# KiCad board Lime_RFE_fab.kicad_pcb (continued)
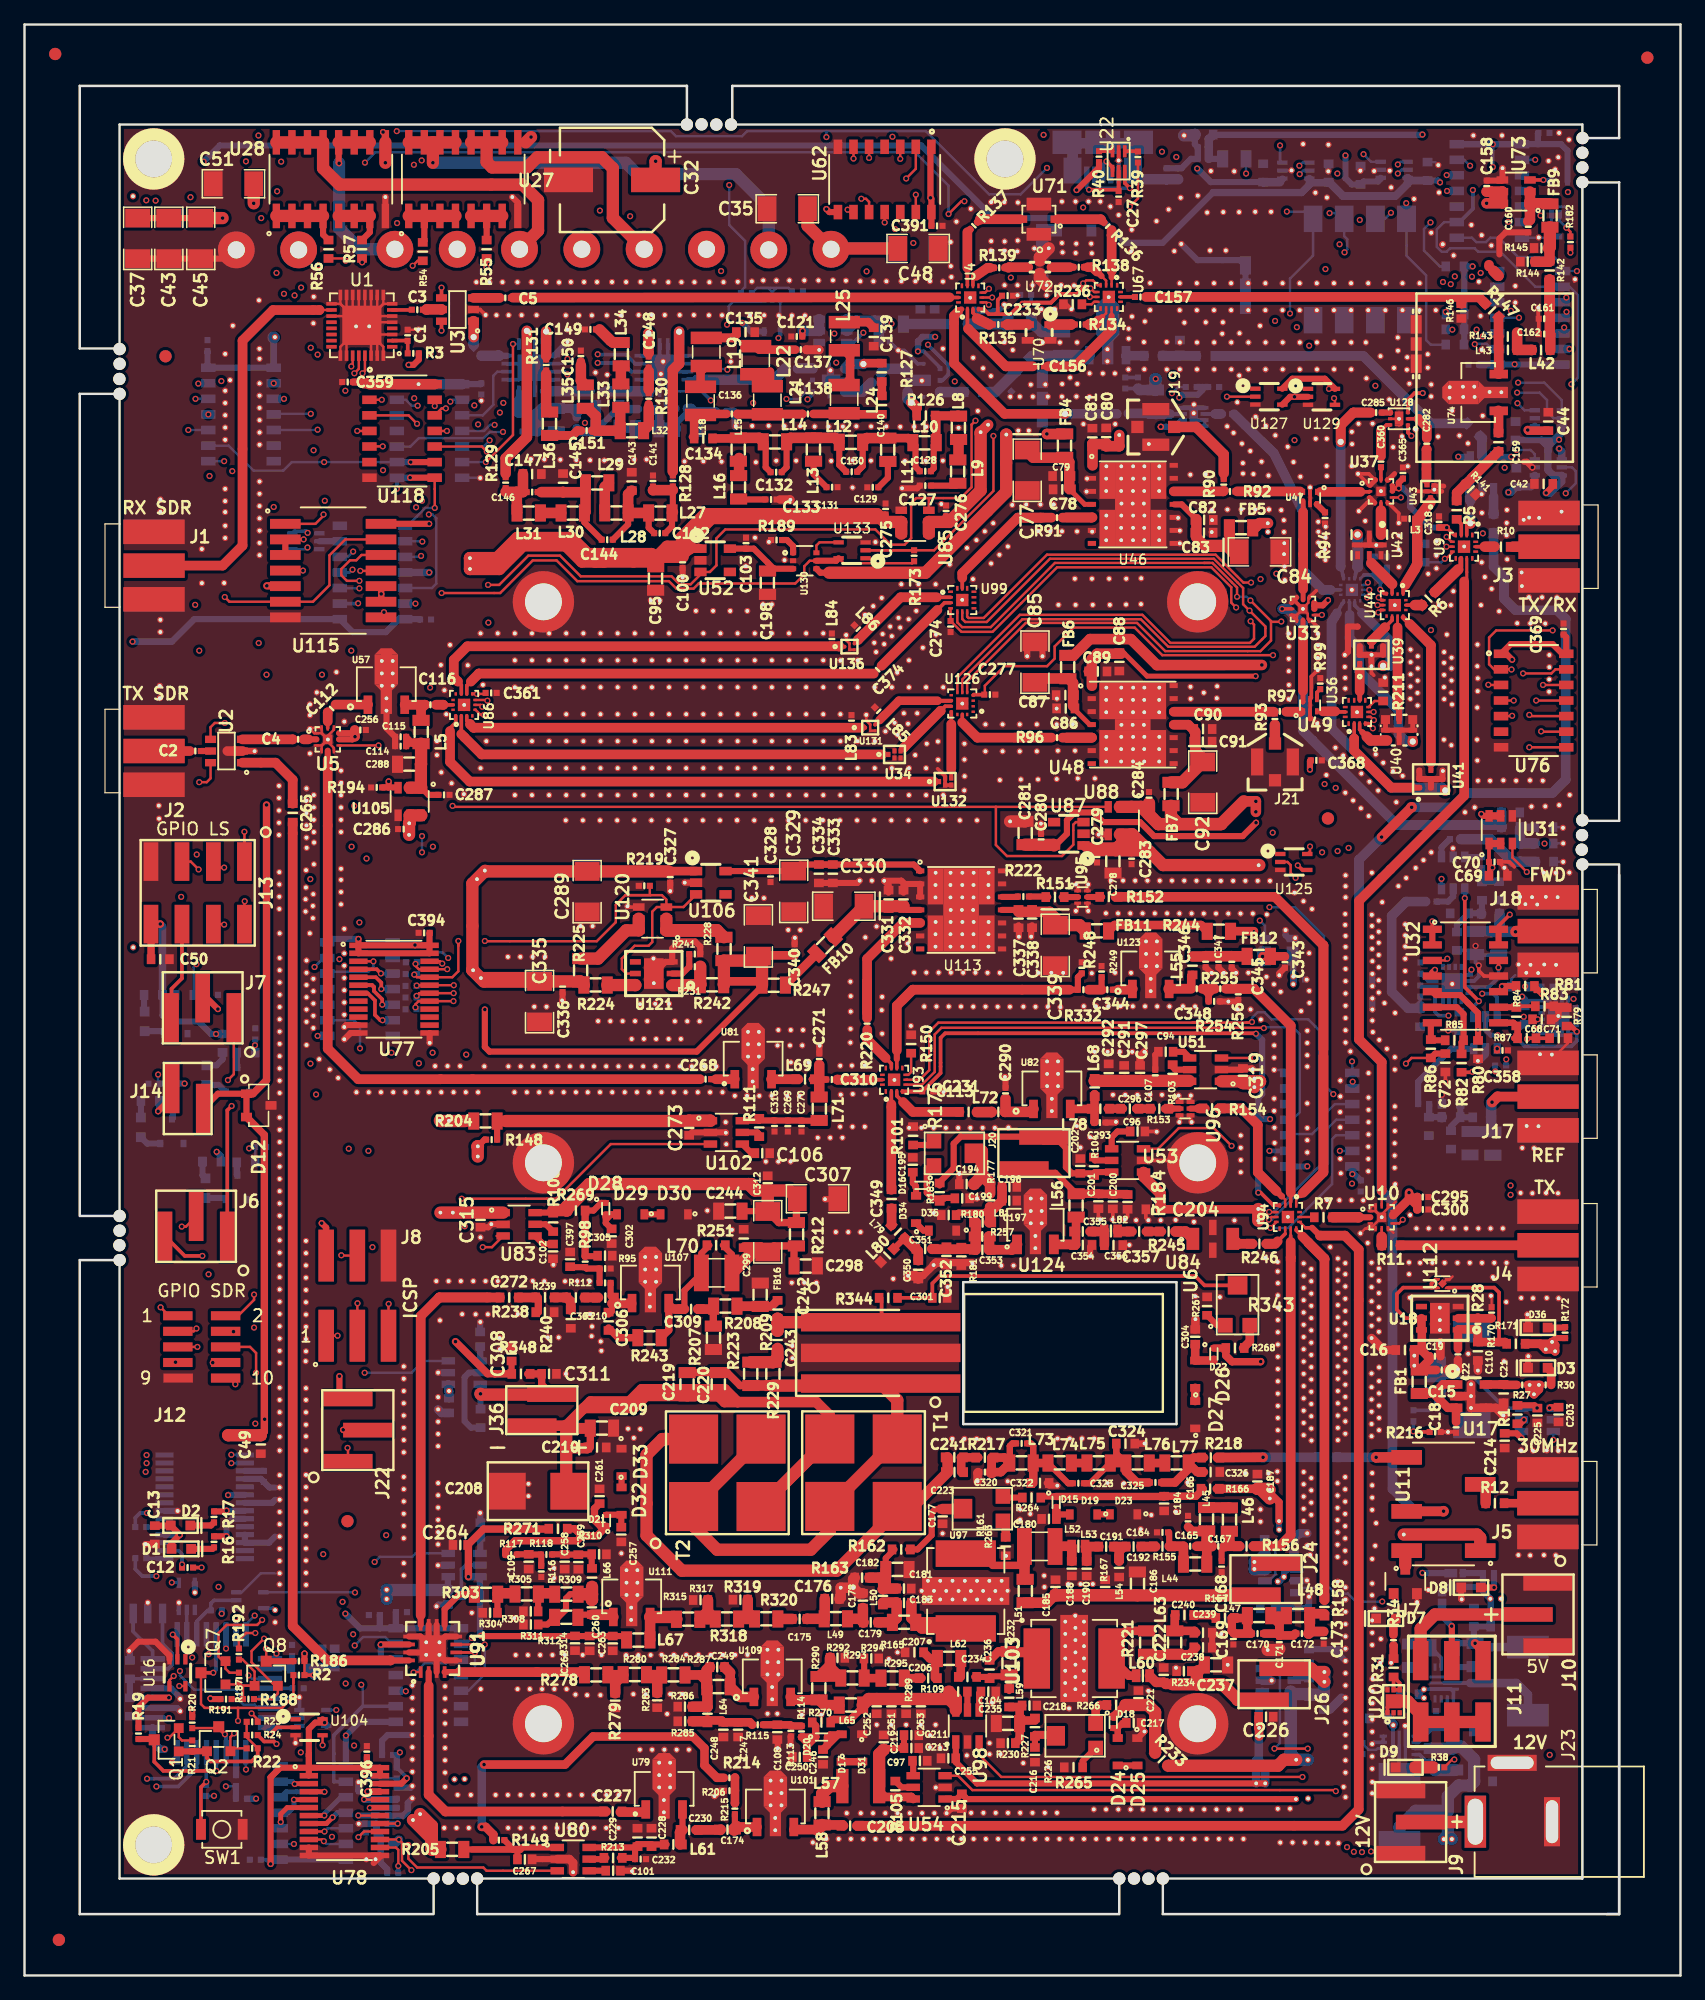
[diagram p0: board, top side]
## Placement (name value [footprint] x y rotation side) (continued)
GND_VIA#476  VAL**  [GND_VIA]  41.04 26.11 90 top
GND_VIA#477  VAL**  [GND_VIA]  40.04 26.11 90 top
GND_VIA#478  VAL**  [GND_VIA]  42.04 26.11 90 top
GND_VIA#479  VAL**  [GND_VIA]  43.04 26.11 90 top
GND_VIA#480  VAL**  [GND_VIA]  44.04 26.11 90 top
GND_VIA#481  VAL**  [GND_VIA]  51.04 26.11 90 top
GND_VIA#482  VAL**  [GND_VIA]  50.04 26.11 90 top
GND_VIA#483  VAL**  [GND_VIA]  49.04 26.11 90 top
GND_VIA#484  VAL**  [GND_VIA]  47.04 26.11 90 top
GND_VIA#485  VAL**  [GND_VIA]  45.5 26.12 90 top
GND_VIA#486  VAL**  [GND_VIA]  55.94 26.13 90 top
GND_VIA#487  VAL**  [GND_VIA]  54.94 26.13 90 top
GND_VIA#488  VAL**  [GND_VIA]  57.94 26.13 90 top
GND_VIA#489  VAL**  [GND_VIA]  56.94 26.13 90 top
GND_VIA#490  VAL**  [GND_VIA]  58.94 26.13 90 top
GND_VIA#491  VAL**  [GND_VIA]  53.94 26.13 90 top
GND_VIA#492  VAL**  [GND_VIA]  52.94 26.13 90 top
GND_VIA#493  VAL**  [GND_VIA]  51.94 26.13 90 top
GND_VIA#494  VAL**  [GND_VIA]  57.17 68.68 90 top
GND_VIA#495  VAL**  [GND_VIA]  57.16 69.54 90 top
GND_VIA#496  VAL**  [GND_VIA]  57.21 67.75 90 top
GND_VIA#497  VAL**  [GND_VIA]  93.15 86.56 90 top
GND_VIA#498  VAL**  [GND_VIA]  92.15 86.56 90 top
GND_VIA#499  VAL**  [GND_VIA]  90.15 86.56 90 top
GND_VIA#500  VAL**  [GND_VIA]  91.15 86.56 90 top
GND_VIA#501  VAL**  [GND_VIA]  89.15 86.56 90 top
GND_VIA#502  VAL**  [GND_VIA]  86.72 88.92 90 top
GND_VIA#503  VAL**  [GND_VIA]  85.72 88.92 90 top
GND_VIA#504  VAL**  [GND_VIA]  88.16 86.57 90 top
GND_VIA#505  VAL**  [GND_VIA]  95.15 86.55 90 top
GND_VIA#506  VAL**  [GND_VIA]  94.15 86.55 90 top
GND_VIA#507  VAL**  [GND_VIA]  96.14 86.54 90 top
GND_VIA#508  VAL**  [GND_VIA]  98.14 86.54 90 top
GND_VIA#509  VAL**  [GND_VIA]  97.14 86.54 90 top
GND_VIA#510  VAL**  [GND_VIA]  99.14 86.54 90 top
GND_VIA#511  VAL**  [GND_VIA]  100.14 86.54 90 top
GND_VIA#512  VAL**  [GND_VIA]  50.18 79.15 90 top
GND_VIA#513  VAL**  [GND_VIA]  49.15 87.14 90 top
GND_VIA#514  VAL**  [GND_VIA]  51.3 80.87 90 top
GND_VIA#515  VAL**  [GND_VIA]  51.28 82.88 90 top
GND_VIA#516  VAL**  [GND_VIA]  51.41 79.19 90 top
GND_VIA#517  VAL**  [GND_VIA]  53.82 89.07 90 top
GND_VIA#518  VAL**  [GND_VIA]  59.3 87.82 90 top
GND_VIA#519  VAL**  [GND_VIA]  60.28 87.81 90 top
GND_VIA#520  VAL**  [GND_VIA]  63.24 85.2 90 top
GND_VIA#521  VAL**  [GND_VIA]  62.26 85.21 90 top
GND_VIA#522  VAL**  [GND_VIA]  39.92 29.14 90 top
GND_VIA#523  VAL**  [GND_VIA]  49.2 44.56 0 top
GND_VIA#524  VAL**  [GND_VIA]  50.2 44.53 0 top
GND_VIA#525  VAL**  [GND_VIA]  49.67 43.81 0 top
GND_VIA#526  VAL**  [GND_VIA]  48.66 34.4 90 top
GND_VIA#527  VAL**  [GND_VIA]  93.88 37.78 0 top
GND_VIA#528  VAL**  [GND_VIA]  100.13 73.86 180 top
GND_VIA#529  VAL**  [GND_VIA]  36.47 29.56 90 top
GND_VIA#530  VAL**  [GND_VIA]  98.91 78.74 90 top
GND_VIA#531  VAL**  [GND_VIA]  70.46 25.79 90 top
GND_VIA#532  VAL**  [GND_VIA]  101.43 40.91 0 top
GND_VIA#533  VAL**  [GND_VIA]  99.53 40.93 0 top
GND_VIA#534  VAL**  [GND_VIA]  52.39 21.31 90 top
GND_VIA#535  VAL**  [GND_VIA]  84.21 43.76 90 top
GND_VIA#536  VAL**  [GND_VIA]  85.21 43.76 90 top
GND_VIA#537  VAL**  [GND_VIA]  87.21 43.76 90 top
GND_VIA#538  VAL**  [GND_VIA]  86.21 43.76 90 top
GND_VIA#539  VAL**  [GND_VIA]  77.62 43.73 90 top
GND_VIA#540  VAL**  [GND_VIA]  78.62 43.73 90 top
GND_VIA#541  VAL**  [GND_VIA]  76.62 43.73 90 top
GND_VIA#542  VAL**  [GND_VIA]  75.62 43.73 90 top
GND_VIA#543  VAL**  [GND_VIA]  77.28 58.02 0 top
GND_VIA#544  VAL**  [GND_VIA]  74.11 57.9 0 top
GND_VIA#545  VAL**  [GND_VIA]  70.82 56.78 0 top
GND_VIA#546  VAL**  [GND_VIA]  72.03 57.02 0 top
GND_VIA#547  VAL**  [GND_VIA]  75.25 56.12 0 top
GND_VIA#548  VAL**  [GND_VIA]  40.42 83.02 90 top
GND_VIA#549  VAL**  [GND_VIA]  42.42 83.02 90 top
GND_VIA#550  VAL**  [GND_VIA]  41.42 83.02 90 top
GND_VIA#551  VAL**  [GND_VIA]  39.41 83.02 90 top
GND_VIA#552  VAL**  [GND_VIA]  52.64 88.37 90 top
GND_VIA#553  VAL**  [GND_VIA]  46.31 85.52 90 top
GND_VIA#554  VAL**  [GND_VIA]  45.33 85.53 90 top
GND_VIA#555  VAL**  [GND_VIA]  101.53 89.21 90 top
GND_VIA#556  VAL**  [GND_VIA]  100.53 89.21 90 top
GND_VIA#557  VAL**  [GND_VIA]  98.53 89.21 90 top
GND_VIA#558  VAL**  [GND_VIA]  99.53 89.21 90 top
GND_VIA#559  VAL**  [GND_VIA]  97.53 89.21 90 top
GND_VIA#560  VAL**  [GND_VIA]  95.55 89.22 90 top
GND_VIA#561  VAL**  [GND_VIA]  96.55 89.22 90 top
GND_VIA#562  VAL**  [GND_VIA]  89.56 89.23 90 top
GND_VIA#563  VAL**  [GND_VIA]  88.56 89.23 90 top
GND_VIA#564  VAL**  [GND_VIA]  90.55 89.23 90 top
GND_VIA#565  VAL**  [GND_VIA]  92.55 89.23 90 top
GND_VIA#566  VAL**  [GND_VIA]  91.55 89.23 90 top
GND_VIA#567  VAL**  [GND_VIA]  93.55 89.23 90 top
GND_VIA#568  VAL**  [GND_VIA]  94.55 89.23 90 top
GND_VIA#569  VAL**  [GND_VIA]  102.3 81.52 90 top
GND_VIA#570  VAL**  [GND_VIA]  104.52 81.16 90 top
GND_VIA#571  VAL**  [GND_VIA]  104.73 83.32 90 top
GND_VIA#572  VAL**  [GND_VIA]  101.28 86.47 90 top
GND_VIA#573  VAL**  [GND_VIA]  102.8 85.2 90 top
GND_VIA#574  VAL**  [GND_VIA]  103.59 84.55 90 top
GND_VIA#575  VAL**  [GND_VIA]  98.14 79.38 90 top
GND_VIA#576  VAL**  [GND_VIA]  99.77 81.72 90 top
GND_VIA#577  VAL**  [GND_VIA]  97.77 81.72 90 top
GND_VIA#578  VAL**  [GND_VIA]  98.77 81.72 90 top
GND_VIA#579  VAL**  [GND_VIA]  96.77 81.72 90 top
GND_VIA#580  VAL**  [GND_VIA]  62.8 84.56 90 top
GND_VIA#581  VAL**  [GND_VIA]  52.55 79.19 90 top
GND_VIA#582  VAL**  [GND_VIA]  81.06 84.66 90 top
GND_VIA#583  VAL**  [GND_VIA]  82.06 84.66 90 top
GND_VIA#584  VAL**  [GND_VIA]  41.55 78.95 90 top
GND_VIA#585  VAL**  [GND_VIA]  42.55 78.95 90 top
GND_VIA#586  VAL**  [GND_VIA]  43.83 79.46 90 top
GND_VIA#587  VAL**  [GND_VIA]  104.57 77 180 top
GND_VIA#588  VAL**  [GND_VIA]  104.57 75 180 top
GND_VIA#589  VAL**  [GND_VIA]  104.57 76 180 top
GND_VIA#590  VAL**  [GND_VIA]  104.96 86.91 90 top
GND_VIA#591  VAL**  [GND_VIA]  104.27 87.55 90 top
GND_VIA#592  VAL**  [GND_VIA]  103.53 88.25 90 top
GND_VIA#593  VAL**  [GND_VIA]  107.7 82.93 0 top
GND_VIA#594  VAL**  [GND_VIA]  107.7 83.83 0 top
GND_VIA#595  VAL**  [GND_VIA]  107.7 79.03 0 top
GND_VIA#596  VAL**  [GND_VIA]  107.7 80.03 0 top
GND_VIA#597  VAL**  [GND_VIA]  107.7 82.03 0 top
GND_VIA#598  VAL**  [GND_VIA]  107.7 81.03 0 top
GND_VIA#599  VAL**  [GND_VIA]  107.7 77.03 0 top
GND_VIA#600  VAL**  [GND_VIA]  107.7 78.03 0 top
GND_VIA#601  VAL**  [GND_VIA]  107.7 76.03 0 top
GND_VIA#602  VAL**  [GND_VIA]  111.72 73.83 0 top
GND_VIA#603  VAL**  [GND_VIA]  111.72 68.83 0 top
GND_VIA#604  VAL**  [GND_VIA]  111.72 70.83 0 top
GND_VIA#605  VAL**  [GND_VIA]  111.72 69.83 0 top
GND_VIA#606  VAL**  [GND_VIA]  107.7 84.72 0 top
GND_VIA#607  VAL**  [GND_VIA]  101.87 75.8 180 top
GND_VIA#608  VAL**  [GND_VIA]  101.87 76.8 180 top
GND_VIA#609  VAL**  [GND_VIA]  101.87 74.8 180 top
GND_VIA#610  VAL**  [GND_VIA]  101.87 73.8 180 top
GND_VIA#611  VAL**  [GND_VIA]  95.08 71.71 90 top
GND_VIA#612  VAL**  [GND_VIA]  94.08 71.71 90 top
GND_VIA#613  VAL**  [GND_VIA]  94.14 69.55 90 top
GND_VIA#614  VAL**  [GND_VIA]  95.14 69.55 90 top
GND_VIA#615  VAL**  [GND_VIA]  89.7 61.61 90 top
GND_VIA#616  VAL**  [GND_VIA]  87.7 61.61 90 top
GND_VIA#617  VAL**  [GND_VIA]  88.7 61.61 90 top
GND_VIA#618  VAL**  [GND_VIA]  91.62 61.55 90 top
GND_VIA#619  VAL**  [GND_VIA]  90.62 61.55 90 top
GND_VIA#620  VAL**  [GND_VIA]  92.62 61.55 90 top
GND_VIA#621  VAL**  [GND_VIA]  103 61.83 0 top
GND_VIA#622  VAL**  [GND_VIA]  97.45 55.29 0 top
GND_VIA#623  VAL**  [GND_VIA]  95.45 55.35 0 top
GND_VIA#624  VAL**  [GND_VIA]  95.46 53.49 0 top
GND_VIA#625  VAL**  [GND_VIA]  91.31 43.35 90 top
GND_VIA#626  VAL**  [GND_VIA]  67.55 31.6 90 top
GND_VIA#627  VAL**  [GND_VIA]  66.54 31.6 90 top
GND_VIA#628  VAL**  [GND_VIA]  62.45 18.79 90 top
GND_VIA#629  VAL**  [GND_VIA]  61.4 18.52 90 top
GND_VIA#630  VAL**  [GND_VIA]  101.34 26.52 0 top
GND_VIA#631  VAL**  [GND_VIA]  101.51 39.57 0 top
GND_VIA#632  VAL**  [GND_VIA]  101.52 38.87 0 top
GND_VIA#633  VAL**  [GND_VIA]  100.58 61.51 0 top
GND_VIA#634  VAL**  [GND_VIA]  102.68 32.49 0 top
GND_VIA#635  VAL**  [GND_VIA]  102.17 32.11 0 top
GND_VIA#636  VAL**  [GND_VIA]  100.58 62.47 0 top
GND_VIA#637  VAL**  [GND_VIA]  100.65 19.48 0 top
GND_VIA#638  VAL**  [GND_VIA]  100.41 15.65 0 top
GND_VIA#639  VAL**  [GND_VIA]  101.15 15.65 0 top
GND_VIA#640  VAL**  [GND_VIA]  100.65 20.17 0 top
GND_VIA#641  VAL**  [GND_VIA]  100.26 73.1 0 top
GND_VIA#642  VAL**  [GND_VIA]  100.26 72.4 0 top
GND_VIA#643  VAL**  [GND_VIA]  103.44 81.41 0 top
GND_VIA#644  VAL**  [GND_VIA]  103.44 80.78 0 top
GND_VIA#645  VAL**  [GND_VIA]  36.95 67.57 0 top
GND_VIA#646  VAL**  [GND_VIA]  33.84 69.67 0 top
GND_VIA#647  VAL**  [GND_VIA]  36.95 66.75 0 top
GND_VIA#648  VAL**  [GND_VIA]  34.6 69.67 0 top
GND_VIA#649  VAL**  [GND_VIA]  38.06 61.23 90 top
GND_VIA#650  VAL**  [GND_VIA]  34.6 47.63 0 top
GND_VIA#651  VAL**  [GND_VIA]  37.15 37.7 0 top
GND_VIA#652  VAL**  [GND_VIA]  103.65 14.37 0 top
GND_VIA#653  VAL**  [GND_VIA]  104.64 14.42 0 top
GND_VIA#654  VAL**  [GND_VIA]  73.65 32.17 90 top
GND_VIA#655  VAL**  [GND_VIA]  74.65 32.17 90 top
GND_VIA#656  VAL**  [GND_VIA]  75.65 32.17 90 top
GND_VIA#657  VAL**  [GND_VIA]  78.65 32.16 90 top
GND_VIA#658  VAL**  [GND_VIA]  79.65 32.16 90 top
GND_VIA#659  VAL**  [GND_VIA]  76.65 32.16 90 top
GND_VIA#660  VAL**  [GND_VIA]  77.65 32.16 90 top
GND_VIA#661  VAL**  [GND_VIA]  77.15 31.34 90 top
GND_VIA#662  VAL**  [GND_VIA]  76.15 31.34 90 top
GND_VIA#663  VAL**  [GND_VIA]  79.15 31.34 90 top
GND_VIA#664  VAL**  [GND_VIA]  78.15 31.34 90 top
GND_VIA#665  VAL**  [GND_VIA]  75.14 31.34 90 top
GND_VIA#666  VAL**  [GND_VIA]  74.14 31.34 90 top
GND_VIA#667  VAL**  [GND_VIA]  73.14 31.34 90 top
GND_VIA#668  VAL**  [GND_VIA]  73.65 30.64 90 top
GND_VIA#669  VAL**  [GND_VIA]  74.65 30.64 90 top
GND_VIA#670  VAL**  [GND_VIA]  75.65 30.64 90 top
GND_VIA#671  VAL**  [GND_VIA]  78.65 30.64 90 top
GND_VIA#672  VAL**  [GND_VIA]  79.65 30.64 90 top
GND_VIA#673  VAL**  [GND_VIA]  76.65 30.64 90 top
GND_VIA#674  VAL**  [GND_VIA]  77.65 30.64 90 top
GND_VIA#675  VAL**  [GND_VIA]  80.14 31.35 90 top
GND_VIA#676  VAL**  [GND_VIA]  85.66 29.32 180 top
GND_VIA#677  VAL**  [GND_VIA]  86.37 26.84 180 top
GND_VIA#678  VAL**  [GND_VIA]  86.37 25.84 180 top
GND_VIA#679  VAL**  [GND_VIA]  86.37 28.84 180 top
GND_VIA#680  VAL**  [GND_VIA]  86.37 27.84 180 top
GND_VIA#681  VAL**  [GND_VIA]  86.37 24.84 180 top
GND_VIA#682  VAL**  [GND_VIA]  86.37 23.84 180 top
GND_VIA#683  VAL**  [GND_VIA]  86.37 22.84 180 top
GND_VIA#684  VAL**  [GND_VIA]  85.15 21.76 180 top
GND_VIA#685  VAL**  [GND_VIA]  85.67 23.33 180 top
GND_VIA#686  VAL**  [GND_VIA]  85.67 24.33 180 top
GND_VIA#687  VAL**  [GND_VIA]  85.67 27.33 180 top
GND_VIA#688  VAL**  [GND_VIA]  85.67 28.33 180 top
GND_VIA#689  VAL**  [GND_VIA]  85.67 25.33 180 top
GND_VIA#690  VAL**  [GND_VIA]  85.67 26.33 180 top
GND_VIA#691  VAL**  [GND_VIA]  84.85 26.84 180 top
GND_VIA#692  VAL**  [GND_VIA]  84.85 25.84 180 top
GND_VIA#693  VAL**  [GND_VIA]  84.85 28.84 180 top
GND_VIA#694  VAL**  [GND_VIA]  84.85 27.84 180 top
GND_VIA#695  VAL**  [GND_VIA]  84.84 24.84 180 top
GND_VIA#696  VAL**  [GND_VIA]  84.84 23.84 180 top
GND_VIA#697  VAL**  [GND_VIA]  84.84 22.84 180 top
GND_VIA#698  VAL**  [GND_VIA]  35.87 16.01 0 top
GND_VIA#699  VAL**  [GND_VIA]  35.05 15.98 0 top
GND_VIA#700  VAL**  [GND_VIA]  36.57 81.92 0 top
GND_VIA#701  VAL**  [GND_VIA]  37.21 81.29 0 top
GND_VIA#702  VAL**  [GND_VIA]  36.89 89.35 0 top
GND_VIA#703  VAL**  [GND_VIA]  37.52 90.05 0 top
GND_VIA#704  VAL**  [GND_VIA]  32.75 27.15 90 top
GND_VIA#705  VAL**  [GND_VIA]  33.83 27.15 90 top
GND_VIA#706  VAL**  [GND_VIA]  33.83 26.13 90 top
GND_VIA#707  VAL**  [GND_VIA]  32.75 26.13 90 top
GND_VIA#708  VAL**  [GND_VIA]  32.25 13.15 0 top
GND_VIA#709  VAL**  [GND_VIA]  31.67 12.67 0 top
GND_VIA#710  VAL**  [GND_VIA]  33.9 62.17 0 top
GND_VIA#711  VAL**  [GND_VIA]  34.92 62.17 0 top
GND_VIA#712  VAL**  [GND_VIA]  29.52 31.44 0 top
GND_VIA#713  VAL**  [GND_VIA]  29.52 30.68 0 top
GND_VIA#714  VAL**  [GND_VIA]  30.92 32.6 0 top
GND_VIA#715  VAL**  [GND_VIA]  30.92 33.6 0 top
GND_VIA#716  VAL**  [GND_VIA]  33.59 30.08 0 top
GND_VIA#717  VAL**  [GND_VIA]  37.16 53.26 0 top
GND_VIA#718  VAL**  [GND_VIA]  69.08 89.23 90 top
GND_VIA#719  VAL**  [GND_VIA]  68.08 89.23 90 top
GND_VIA#720  VAL**  [GND_VIA]  70.08 89.22 90 top
GND_VIA#721  VAL**  [GND_VIA]  85.72 86.76 90 top
GND_VIA#722  VAL**  [GND_VIA]  86.72 86.76 90 top
GND_VIA#723  VAL**  [GND_VIA]  41.08 39.07 0 top
GND_VIA#724  VAL**  [GND_VIA]  41.08 40.07 0 top
GND_VIA#725  VAL**  [GND_VIA]  102.18 45.44 0 top
GND_VIA#726  VAL**  [GND_VIA]  102.18 44.44 0 top
GND_VIA#727  VAL**  [GND_VIA]  102.18 43.44 0 top
GND_VIA#728  VAL**  [GND_VIA]  107.7 18.61 0 top
GND_VIA#729  VAL**  [GND_VIA]  107.7 19.61 0 top
GND_VIA#730  VAL**  [GND_VIA]  107.7 20.61 0 top
GND_VIA#731  VAL**  [GND_VIA]  107.7 21.61 0 top
GND_VIA#732  VAL**  [GND_VIA]  109.87 18.87 0 top
GND_VIA#733  VAL**  [GND_VIA]  109.87 19.87 0 top
GND_VIA#734  VAL**  [GND_VIA]  109.87 20.87 0 top
GND_VIA#735  VAL**  [GND_VIA]  107.12 10.78 90 top
GND_VIA#736  VAL**  [GND_VIA]  31.62 16.6 0 top
GND_VIA#737  VAL**  [GND_VIA]  31.62 17.6 0 top
GND_VIA#738  VAL**  [GND_VIA]  31.62 19.6 0 top
GND_VIA#739  VAL**  [GND_VIA]  31.62 18.6 0 top
GND_VIA#740  VAL**  [GND_VIA]  31.62 21.6 0 top
GND_VIA#741  VAL**  [GND_VIA]  31.62 20.6 0 top
GND_VIA#742  VAL**  [GND_VIA]  31.62 22.63 0 top
GND_VIA#743  VAL**  [GND_VIA]  31.62 23.63 0 top
GND_VIA#744  VAL**  [GND_VIA]  31.62 15.44 0 top
GND_VIA#745  VAL**  [GND_VIA]  31.62 14.44 0 top
GND_VIA#746  VAL**  [GND_VIA]  35.3 14.71 0 top
GND_VIA#747  VAL**  [GND_VIA]  34.28 15.38 0 top
GND_VIA#748  VAL**  [GND_VIA]  34.28 23.57 0 top
GND_VIA#749  VAL**  [GND_VIA]  34.28 22.57 0 top
GND_VIA#750  VAL**  [GND_VIA]  34.28 20.53 0 top
GND_VIA#751  VAL**  [GND_VIA]  34.28 21.53 0 top
GND_VIA#752  VAL**  [GND_VIA]  34.28 18.53 0 top
GND_VIA#753  VAL**  [GND_VIA]  34.28 19.53 0 top
GND_VIA#754  VAL**  [GND_VIA]  34.28 17.53 0 top
GND_VIA#755  VAL**  [GND_VIA]  34.28 16.53 0 top
GND_VIA#756  VAL**  [GND_VIA]  39.4 14.71 90 top
GND_VIA#757  VAL**  [GND_VIA]  38.4 14.71 90 top
GND_VIA#758  VAL**  [GND_VIA]  35.22 12.02 90 top
GND_VIA#759  VAL**  [GND_VIA]  34.22 12.02 90 top
GND_VIA#760  VAL**  [GND_VIA]  36.22 12.02 90 top
GND_VIA#761  VAL**  [GND_VIA]  118.79 120.72 0 top
GND_VIA#762  VAL**  [GND_VIA]  99.25 124.85 0 top
GND_VIA#763  VAL**  [GND_VIA]  99.93 124.24 0 top
GND_VIA#764  VAL**  [GND_VIA]  100.85 123.37 0 top
GND_VIA#765  VAL**  [GND_VIA]  101.41 122.24 0 top
GND_VIA#766  VAL**  [GND_VIA]  99.32 123.25 0 top
GND_VIA#767  VAL**  [GND_VIA]  99.33 122.4 0 top
GND_VIA#768  VAL**  [GND_VIA]  100.18 122.36 0 top
GND_VIA#769  VAL**  [GND_VIA]  104.02 122.15 0 top
GND_VIA#770  VAL**  [GND_VIA]  101.97 125.52 0 top
GND_VIA#771  VAL**  [GND_VIA]  91.65 124.81 0 top
GND_VIA#772  VAL**  [GND_VIA]  98.04 126.25 0 top
GND_VIA#773  VAL**  [GND_VIA]  95.32 127.33 0 top
GND_VIA#774  VAL**  [GND_VIA]  95.33 128.03 0 top
GND_VIA#775  VAL**  [GND_VIA]  109.88 80.63 0 top
GND_VIA#776  VAL**  [GND_VIA]  109.88 79.63 0 top
GND_VIA#777  VAL**  [GND_VIA]  109.86 83.66 0 top
GND_VIA#778  VAL**  [GND_VIA]  109.85 84.63 0 top
GND_VIA#779  VAL**  [GND_VIA]  109.89 82.66 0 top
GND_VIA#780  VAL**  [GND_VIA]  109.88 81.63 0 top
GND_VIA#781  VAL**  [GND_VIA]  109.83 86.44 0 top
GND_VIA#782  VAL**  [GND_VIA]  109.85 85.53 0 top
GND_VIA#783  VAL**  [GND_VIA]  71.54 121.2 0 top
GND_VIA#784  VAL**  [GND_VIA]  67.5 121.26 0 top
GND_VIA#785  VAL**  [GND_VIA]  74.86 123.45 0 top
GND_VIA#786  VAL**  [GND_VIA]  73.45 123.45 0 top
GND_VIA#787  VAL**  [GND_VIA]  62.9 123.45 0 top
GND_VIA#788  VAL**  [GND_VIA]  71.77 123.43 0 top
GND_VIA#789  VAL**  [GND_VIA]  69 123.45 0 top
GND_VIA#790  VAL**  [GND_VIA]  65.76 123.43 0 top
GND_VIA#791  VAL**  [GND_VIA]  67.5 123.49 0 top
GND_VIA#792  VAL**  [GND_VIA]  62.44 120.26 0 top
GND_VIA#793  VAL**  [GND_VIA]  53.8 123.39 0 top
GND_VIA#794  VAL**  [GND_VIA]  56.82 123.37 0 top
GND_VIA#795  VAL**  [GND_VIA]  55.34 123.4 0 top
GND_VIA#796  VAL**  [GND_VIA]  59.62 123.32 0 top
GND_VIA#797  VAL**  [GND_VIA]  61.28 123.45 0 top
GND_VIA#798  VAL**  [GND_VIA]  57.98 126.27 0 top
GND_VIA#799  VAL**  [GND_VIA]  59.32 126.28 0 top
GND_VIA#800  VAL**  [GND_VIA]  61.95 126.27 0 top
GND_VIA#801  VAL**  [GND_VIA]  60.66 126.29 0 top
GND_VIA#802  VAL**  [GND_VIA]  63.23 126.25 0 top
GND_VIA#803  VAL**  [GND_VIA]  64.41 126.23 0 top
GND_VIA#804  VAL**  [GND_VIA]  65.55 126.23 0 top
GND_VIA#805  VAL**  [GND_VIA]  66.71 126.23 0 top
GND_VIA#806  VAL**  [GND_VIA]  67.81 126.25 0 top
GND_VIA#807  VAL**  [GND_VIA]  69.01 126.24 0 top
GND_VIA#808  VAL**  [GND_VIA]  72.52 126.22 0 top
GND_VIA#809  VAL**  [GND_VIA]  71.39 126.21 0 top
GND_VIA#810  VAL**  [GND_VIA]  70.25 126.24 0 top
GND_VIA#811  VAL**  [GND_VIA]  71.22 132.44 0 top
GND_VIA#812  VAL**  [GND_VIA]  64.79 132.48 0 top
GND_VIA#813  VAL**  [GND_VIA]  73.51 126.21 0 top
GND_VIA#814  VAL**  [GND_VIA]  123.77 97.37 180 top
GND_VIA#815  VAL**  [GND_VIA]  122.73 97.4 180 top
GND_VIA#816  VAL**  [GND_VIA]  122.85 95.27 180 top
GND_VIA#817  VAL**  [GND_VIA]  118.22 95.19 180 top
GND_VIA#818  VAL**  [GND_VIA]  117.43 94.8 180 top
GND_VIA#819  VAL**  [GND_VIA]  82.65 117.71 0 top
GND_VIA#820  VAL**  [GND_VIA]  83.62 117.7 0 top
GND_VIA#821  VAL**  [GND_VIA]  65.7 130.82 0 top
GND_VIA#822  VAL**  [GND_VIA]  74.87 132.58 0 top
GND_VIA#823  VAL**  [GND_VIA]  82.03 129.65 0 top
GND_VIA#824  VAL**  [GND_VIA]  83.22 129.66 0 top
GND_VIA#825  VAL**  [GND_VIA]  84.59 129.7 0 top
GND_VIA#826  VAL**  [GND_VIA]  85.82 129.71 0 top
GND_VIA#827  VAL**  [GND_VIA]  37.58 135.33 0 top
GND_VIA#828  VAL**  [GND_VIA]  39.46 135.31 0 top
GND_VIA#829  VAL**  [GND_VIA]  40.52 135.31 0 top
GND_VIA#830  VAL**  [GND_VIA]  88.92 126.44 0 top
GND_VIA#831  VAL**  [GND_VIA]  86.33 126.44 0 top
GND_VIA#832  VAL**  [GND_VIA]  107.63 107.62 0 top
GND_VIA#833  VAL**  [GND_VIA]  105.42 106.38 0 top
GND_VIA#834  VAL**  [GND_VIA]  105.42 107.38 0 top
GND_VIA#835  VAL**  [GND_VIA]  105.42 109.33 0 top
GND_VIA#836  VAL**  [GND_VIA]  106.02 116.21 0 top
GND_VIA#837  VAL**  [GND_VIA]  106.06 117.2 0 top
GND_VIA#838  VAL**  [GND_VIA]  106.07 118.08 0 top
GND_VIA#839  VAL**  [GND_VIA]  106.17 122.19 0 top
GND_VIA#840  VAL**  [GND_VIA]  108.71 122.38 0 top
GND_VIA#841  VAL**  [GND_VIA]  108.21 125.81 0 top
GND_VIA#842  VAL**  [GND_VIA]  108.75 126.46 0 top
GND_VIA#843  VAL**  [GND_VIA]  108.77 119.34 0 top
GND_VIA#844  VAL**  [GND_VIA]  112.03 117.35 0 top
GND_VIA#845  VAL**  [GND_VIA]  112.04 116.21 0 top
GND_VIA#846  VAL**  [GND_VIA]  112.04 114.78 0 top
GND_VIA#847  VAL**  [GND_VIA]  43.68 123.53 0 top
GND_VIA#848  VAL**  [GND_VIA]  42.37 123.55 0 top
GND_VIA#849  VAL**  [GND_VIA]  41.29 123.58 0 top
GND_VIA#850  VAL**  [GND_VIA]  37.15 122.04 0 top
GND_VIA#851  VAL**  [GND_VIA]  44.98 123.5 0 top
GND_VIA#852  VAL**  [GND_VIA]  46.1 123.49 0 top
GND_VIA#853  VAL**  [GND_VIA]  47.26 123.47 0 top
GND_VIA#854  VAL**  [GND_VIA]  48.48 123.47 0 top
GND_VIA#855  VAL**  [GND_VIA]  49.7 123.54 0 top
GND_VIA#856  VAL**  [GND_VIA]  50.71 123.55 0 top
GND_VIA#857  VAL**  [GND_VIA]  57.57 131.52 0 top
GND_VIA#858  VAL**  [GND_VIA]  47.5 130.45 0 top
GND_VIA#859  VAL**  [GND_VIA]  46.54 130.63 0 top
GND_VIA#860  VAL**  [GND_VIA]  44.27 134.13 0 top
GND_VIA#861  VAL**  [GND_VIA]  44.26 133.12 0 top
GND_VIA#862  VAL**  [GND_VIA]  109.88 78.72 0 top
GND_VIA#863  VAL**  [GND_VIA]  109.88 77.82 0 top
GND_VIA#864  VAL**  [GND_VIA]  125.05 78.19 0 top
GND_VIA#865  VAL**  [GND_VIA]  116.4 80.81 0 top
GND_VIA#866  VAL**  [GND_VIA]  78.14 130.98 0 top
GND_VIA#867  VAL**  [GND_VIA]  77.33 131.84 0 top
GND_VIA#868  VAL**  [GND_VIA]  78.78 130.35 0 top
GND_VIA#869  VAL**  [GND_VIA]  46.25 135.29 0 top
GND_VIA#870  VAL**  [GND_VIA]  45.19 135.29 0 top
GND_VIA#871  VAL**  [GND_VIA]  44.12 135.29 0 top
GND_VIA#872  VAL**  [GND_VIA]  48.62 135.29 0 top
GND_VIA#873  VAL**  [GND_VIA]  47.47 135.29 0 top
GND_VIA#874  VAL**  [GND_VIA]  59.14 135.3 0 top
GND_VIA#875  VAL**  [GND_VIA]  60.29 135.3 0 top
GND_VIA#876  VAL**  [GND_VIA]  55.79 135.3 0 top
GND_VIA#877  VAL**  [GND_VIA]  56.86 135.3 0 top
GND_VIA#878  VAL**  [GND_VIA]  52.19 135.32 0 top
GND_VIA#879  VAL**  [GND_VIA]  51.13 135.32 0 top
GND_VIA#880  VAL**  [GND_VIA]  50.06 135.32 0 top
GND_VIA#881  VAL**  [GND_VIA]  54.56 135.32 0 top
GND_VIA#882  VAL**  [GND_VIA]  53.41 135.32 0 top
GND_VIA#883  VAL**  [GND_VIA]  61.49 135.28 0 top
GND_VIA#884  VAL**  [GND_VIA]  62.56 135.28 0 top
GND_VIA#885  VAL**  [GND_VIA]  63.62 135.28 0 top
GND_VIA#886  VAL**  [GND_VIA]  80.56 132.47 0 top
GND_VIA#887  VAL**  [GND_VIA]  71.48 138.07 0 top
GND_VIA#888  VAL**  [GND_VIA]  72.63 138.07 0 top
GND_VIA#889  VAL**  [GND_VIA]  68.13 138.07 0 top
GND_VIA#890  VAL**  [GND_VIA]  69.2 138.07 0 top
GND_VIA#891  VAL**  [GND_VIA]  70.26 138.07 0 top
GND_VIA#892  VAL**  [GND_VIA]  74.87 138.05 0 top
GND_VIA#893  VAL**  [GND_VIA]  73.81 138.08 0 top
GND_VIA#894  VAL**  [GND_VIA]  84.5 137.76 0 top
GND_VIA#895  VAL**  [GND_VIA]  85.56 137.73 0 top
GND_VIA#896  VAL**  [GND_VIA]  80.95 137.75 0 top
GND_VIA#897  VAL**  [GND_VIA]  79.89 137.75 0 top
GND_VIA#898  VAL**  [GND_VIA]  79.88 133.11 0 top
GND_VIA#899  VAL**  [GND_VIA]  83.32 137.75 0 top
GND_VIA#900  VAL**  [GND_VIA]  82.17 137.75 0 top
GND_VIA#901  VAL**  [GND_VIA]  83.32 136.93 0 top
GND_VIA#902  VAL**  [GND_VIA]  80.95 136.93 0 top
GND_VIA#903  VAL**  [GND_VIA]  79.86 136.17 0 top
GND_VIA#904  VAL**  [GND_VIA]  83.42 128.67 0 top
GND_VIA#905  VAL**  [GND_VIA]  84.57 128.67 0 top
GND_VIA#906  VAL**  [GND_VIA]  81.14 128.67 0 top
GND_VIA#907  VAL**  [GND_VIA]  82.2 128.67 0 top
GND_VIA#908  VAL**  [GND_VIA]  86.81 128.65 0 top
GND_VIA#909  VAL**  [GND_VIA]  85.75 128.68 0 top
GND_VIA#910  VAL**  [GND_VIA]  81.02 125.9 0 top
GND_VIA#911  VAL**  [GND_VIA]  81.87 125.9 0 top
GND_VIA#912  VAL**  [GND_VIA]  77.71 127.5 0 top
GND_VIA#913  VAL**  [GND_VIA]  76.14 126.13 0 top
GND_VIA#914  VAL**  [GND_VIA]  80.94 140.51 0 top
GND_VIA#915  VAL**  [GND_VIA]  82.32 140.75 0 top
GND_VIA#916  VAL**  [GND_VIA]  78.78 140.58 0 top
GND_VIA#917  VAL**  [GND_VIA]  79.9 140.56 0 top
GND_VIA#918  VAL**  [GND_VIA]  84.63 140.43 0 top
GND_VIA#919  VAL**  [GND_VIA]  83.5 140.76 0 top
GND_VIA#920  VAL**  [GND_VIA]  85.69 140.38 0 top
GND_VIA#921  VAL**  [GND_VIA]  87.01 140.36 0 top
GND_VIA#922  VAL**  [GND_VIA]  78.81 141.35 0 top
GND_VIA#923  VAL**  [GND_VIA]  79.9 141.32 0 top
GND_VIA#924  VAL**  [GND_VIA]  86.96 141.14 0 top
GND_VIA#925  VAL**  [GND_VIA]  85.74 141.14 0 top
GND_VIA#926  VAL**  [GND_VIA]  86.74 144.57 0 top
GND_VIA#927  VAL**  [GND_VIA]  85.68 144.57 0 top
GND_VIA#928  VAL**  [GND_VIA]  84.57 141.19 0 top
GND_VIA#929  VAL**  [GND_VIA]  84.57 144.57 0 top
GND_VIA#930  VAL**  [GND_VIA]  79.87 144.52 0 top
GND_VIA#931  VAL**  [GND_VIA]  78.8 144.52 0 top
GND_VIA#932  VAL**  [GND_VIA]  80.97 141.4 0 top
GND_VIA#933  VAL**  [GND_VIA]  80.98 144.49 0 top
GND_VIA#934  VAL**  [GND_VIA]  65.9 138.15 0 top
GND_VIA#935  VAL**  [GND_VIA]  66.96 138.12 0 top
GND_VIA#936  VAL**  [GND_VIA]  62.35 138.14 0 top
GND_VIA#937  VAL**  [GND_VIA]  61.29 138.14 0 top
GND_VIA#938  VAL**  [GND_VIA]  60.22 138.14 0 top
GND_VIA#939  VAL**  [GND_VIA]  64.72 138.14 0 top
GND_VIA#940  VAL**  [GND_VIA]  63.57 138.14 0 top
GND_VIA#941  VAL**  [GND_VIA]  47.89 138.01 0 top
GND_VIA#942  VAL**  [GND_VIA]  49.04 138.01 0 top
GND_VIA#943  VAL**  [GND_VIA]  44.54 138.01 0 top
GND_VIA#944  VAL**  [GND_VIA]  45.61 138.01 0 top
GND_VIA#945  VAL**  [GND_VIA]  46.67 138.01 0 top
GND_VIA#946  VAL**  [GND_VIA]  51.31 138.05 0 top
GND_VIA#947  VAL**  [GND_VIA]  50.22 138.02 0 top
GND_VIA#948  VAL**  [GND_VIA]  58.14 138.03 0 top
GND_VIA#949  VAL**  [GND_VIA]  59.29 138.06 0 top
GND_VIA#950  VAL**  [GND_VIA]  54.61 138 0 top
GND_VIA#951  VAL**  [GND_VIA]  53.55 138 0 top
GND_VIA#952  VAL**  [GND_VIA]  52.48 138 0 top
GND_VIA#953  VAL**  [GND_VIA]  56.98 138 0 top
GND_VIA#954  VAL**  [GND_VIA]  55.83 138 0 top
GND_VIA#955  VAL**  [GND_VIA]  42.51 138.01 0 top
GND_VIA#956  VAL**  [GND_VIA]  43.57 137.98 0 top
GND_VIA#957  VAL**  [GND_VIA]  38.96 138 0 top
GND_VIA#958  VAL**  [GND_VIA]  37.9 138 0 top
GND_VIA#959  VAL**  [GND_VIA]  36.83 138 0 top
GND_VIA#960  VAL**  [GND_VIA]  41.33 138 0 top
GND_VIA#961  VAL**  [GND_VIA]  40.18 138 0 top
GND_VIA#962  VAL**  [GND_VIA]  75.5 141.27 90 top
GND_VIA#963  VAL**  [GND_VIA]  75.56 138.42 90 top
GND_VIA#964  VAL**  [GND_VIA]  75.51 139.3 90 top
GND_VIA#965  VAL**  [GND_VIA]  77.14 143.98 90 top
GND_VIA#966  VAL**  [GND_VIA]  75.97 142.93 90 top
GND_VIA#967  VAL**  [GND_VIA]  90.21 140.51 90 top
GND_VIA#968  VAL**  [GND_VIA]  89.19 143.47 90 top
GND_VIA#969  VAL**  [GND_VIA]  88.52 144.16 90 top
GND_VIA#970  VAL**  [GND_VIA]  90.26 142.27 90 top
GND_VIA#971  VAL**  [GND_VIA]  87.7 144.57 90 top
GND_VIA#972  VAL**  [GND_VIA]  125.42 93.53 180 top
GND_VIA#973  VAL**  [GND_VIA]  125.44 92.27 180 top
GND_VIA#974  VAL**  [GND_VIA]  125.44 90.76 180 top
GND_VIA#975  VAL**  [GND_VIA]  113.41 90.26 180 top